# Altium PCB 智能马桶综合检测台_数据板V1.0.PcbDoc (part 3 of 8)
Units mil, origin at the board's own origin, x right, y up, seen from the top; angles counter-clockwise.
Board outline 5580 x 4007.36 mil, 2 copper layers (Top Layer, Bottom Layer); 109 components, 92 nets, 426 pads, 50 vias.
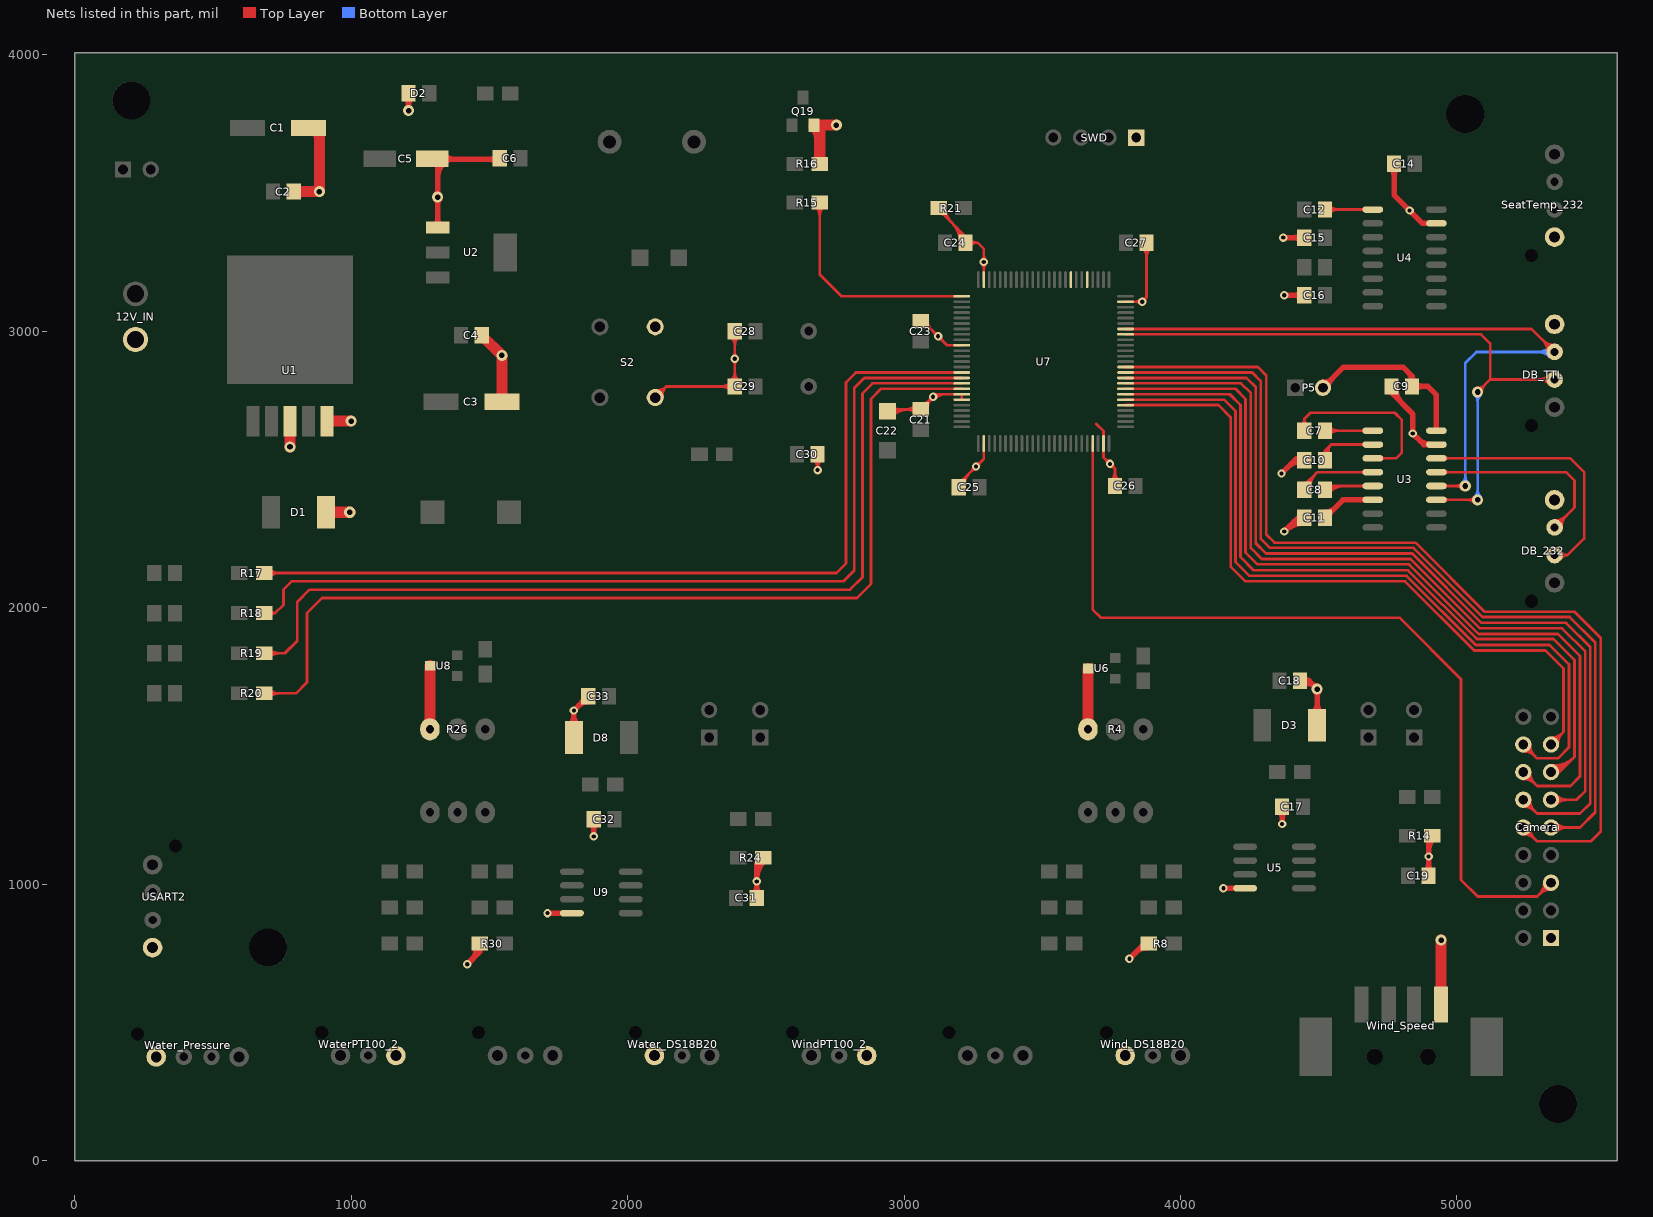
[diagram p3: the nets of this part, all layers, seen from the top]

## Via types
v1: diameter 30, hole 15, Top Layer to Bottom Layer, 31 vias
v2: diameter 40, hole 20, Top Layer to Bottom Layer, 19 vias

## Nets (pads, with @x,y where several pads share a name; then routed paths per layer and width w, separated by ;. In a path a pad name is that pad's centre, name@x,y a point inside that pad or via, vN(x,y) a via of type N, cw(c..) or ccw(c..) an arc to the next point about the centre after c; other vN are vias at no path point) (continued)
AGND: (continued)
  Top Layer w40: v2(778.86,2581.14) U1.3@778.86,2675 ; C2.1@792.4,3505 v2(885,3505) C1.2@885,3740 ; D1.1@909.41,2345 v2(995,2345) ; U1.5@912.72,2675 v2(1000,2675) ; R26.2@1274.39,1575.61 ccw(c1246.89,1603.11) 1285.79,1603.11 ; R26.2@1285,1560 1285.79,1560.79 U8.3@1285.79,1790 ; C4.1@1472.4,2985 v2(1545.24,2912.17) C3.2@1545.24,2745 ; Q19.2@2675,3745 v2(2755,3745) ; R16.2@2695,3605 2695,3745 ; R4.2@3654.39,1575.61 ccw(c3626.89,1603.11) 3665.79,1603.11 ; R4.2@3665,1560 3665.79,1560.79 U6.3@3665.79,1780 ; Wind_Speed.4@4942.4,565 v2(4942.4,797.4) ; C1.2@871.96,3728.26 cw(c840.49,3696.79) 885,3696.79 ; C1.2@871.96,3728.26 cw(c840.49,3696.79) 885,3696.79 ; C1.2@871.96,3728.26 cw(c840.49,3696.79) 885,3696.79 ; C1.2@871.96,3728.26 cw(c840.49,3696.79) 885,3696.79 ; C1.2@871.96,3728.26 cw(c840.49,3696.79) 885,3696.79 ; C1.2@871.96,3728.26 cw(c840.49,3696.79) 885,3696.79 ; Q19.2@2675,3740 cw(c2626.72,3691.72) 2695,3691.72 ; Q19.2@2675,3740 cw(c2626.72,3691.72) 2695,3691.72 ; Q19.2@2675,3740 cw(c2626.72,3691.72) 2695,3691.72 ; Q19.2@2675,3740 cw(c2626.72,3691.72) 2695,3691.72 ; Q19.2@2675,3740 cw(c2626.72,3691.72) 2695,3691.72 ; Q19.2@2675,3740 cw(c2626.72,3691.72) 2695,3691.72
  other v1: 2467.4,1010 4897.4,1100 3260.34,2510.34 3745,2520 2387.6,2900 3123.37,2981.63 3288.46,3250 4828.78,3436.22
  other v2: 1312.95,3485
BT_RX: U7.83
BT_TX: U7.80
BUZZ_OUT: R15.1 U7.1 | length 1261.4
  Top Layer w10: R15.1@2695,3465 2695,3205 2773.78,3126.22 U7.1@3208.74,3126.22 ; R15.1@2680.86,3450.86 cw(c2646.72,3416.72) 2695,3416.72 ; R15.1@2680.86,3450.86 cw(c2646.72,3416.72) 2695,3416.72 ; R15.1@2680.86,3450.86 cw(c2646.72,3416.72) 2695,3416.72 ; R15.1@2680.86,3450.86 cw(c2646.72,3416.72) 2695,3416.72 ; R15.1@2680.86,3450.86 cw(c2646.72,3416.72) 2695,3416.72 ; R15.1@2680.86,3450.86 cw(c2646.72,3416.72) 2695,3416.72 ; 2695,3416.72 cw(c2743.28,3416.72) R15.1@2709.14,3450.86 ; 2695,3416.72 cw(c2743.28,3416.72) R15.1@2709.14,3450.86 ; 2695,3416.72 cw(c2743.28,3416.72) R15.1@2709.14,3450.86 ; 2695,3416.72 cw(c2743.28,3416.72) R15.1@2709.14,3450.86 ; 2695,3416.72 cw(c2743.28,3416.72) R15.1@2709.14,3450.86 ; 2695,3416.72 cw(c2743.28,3416.72) R15.1@2709.14,3450.86
D0: Camera.15 U7.55 | length 3476.9
  Top Layer w10: U7.55@3801.26,2732.52 4137.48,2732.52 4181.39,2688.61 4181.39,2148.61 4235,2095 4812.43,2095 5062.43,1845 5320,1845 5385,1780 5385,1550 Camera.15@5340,1505 ; Camera.15@5340,1519.53 ccw(c5340,1554.6) 5364.8,1529.8 ; Camera.15@5340,1519.53 ccw(c5340,1554.6) 5364.8,1529.8 ; Camera.15@5340,1519.53 ccw(c5340,1554.6) 5364.8,1529.8 ; Camera.15@5340,1519.53 ccw(c5340,1554.6) 5364.8,1529.8 ; Camera.15@5340,1519.53 ccw(c5340,1554.6) 5364.8,1529.8 ; Camera.15@5340,1519.53 ccw(c5340,1554.6) 5364.8,1529.8 ; Camera.15@5340,1529.53 ccw(c5340,1588.74) 5381.87,1546.87 ; Camera.15@5340,1529.53 ccw(c5340,1588.74) 5381.87,1546.87 ; Camera.15@5340,1529.53 ccw(c5340,1588.74) 5381.87,1546.87 ; Camera.15@5340,1529.53 ccw(c5340,1588.74) 5381.87,1546.87 ; Camera.15@5340,1529.53 ccw(c5340,1588.74) 5381.87,1546.87 ; Camera.15@5340,1529.53 ccw(c5340,1588.74) 5381.87,1546.87 ; Camera.15@5354.53,1505 cw(c5389.6,1505) 5364.8,1529.8 ; Camera.15@5354.53,1505 cw(c5389.6,1505) 5364.8,1529.8 ; Camera.15@5354.53,1505 cw(c5389.6,1505) 5364.8,1529.8 ; Camera.15@5354.53,1505 cw(c5389.6,1505) 5364.8,1529.8 ; Camera.15@5354.53,1505 cw(c5389.6,1505) 5364.8,1529.8 ; Camera.15@5354.53,1505 cw(c5389.6,1505) 5364.8,1529.8 ; Camera.15@5364.53,1505 cw(c5423.74,1505) 5381.87,1546.87 ; Camera.15@5364.53,1505 cw(c5423.74,1505) 5381.87,1546.87 ; Camera.15@5364.53,1505 cw(c5423.74,1505) 5381.87,1546.87 ; Camera.15@5364.53,1505 cw(c5423.74,1505) 5381.87,1546.87 ; Camera.15@5364.53,1505 cw(c5423.74,1505) 5381.87,1546.87 ; Camera.15@5364.53,1505 cw(c5423.74,1505) 5381.87,1546.87
D1: Camera.16 U7.56 | length 3710.4
  Top Layer w10: U7.56@3801.26,2752.2 4157.8,2752.2 4199.26,2710.74 4199.26,2165.74 4250,2115 4817.7,2115 5067.7,1865 5335,1865 5405,1795 5405,1495 5365,1455 5290,1455 Camera.16@5240,1505 ; Camera.16@5240,1480.47 cw(c5240,1421.26) 5281.87,1463.13 ; Camera.16@5240,1480.47 cw(c5240,1421.26) 5281.87,1463.13 ; Camera.16@5240,1480.47 cw(c5240,1421.26) 5281.87,1463.13 ; Camera.16@5240,1480.47 cw(c5240,1421.26) 5281.87,1463.13 ; Camera.16@5240,1480.47 cw(c5240,1421.26) 5281.87,1463.13 ; Camera.16@5240,1480.47 cw(c5240,1421.26) 5281.87,1463.13 ; Camera.16@5240,1490.47 cw(c5240,1455.4) 5264.8,1480.2 ; Camera.16@5240,1490.47 cw(c5240,1455.4) 5264.8,1480.2 ; Camera.16@5240,1490.47 cw(c5240,1455.4) 5264.8,1480.2 ; Camera.16@5240,1490.47 cw(c5240,1455.4) 5264.8,1480.2 ; Camera.16@5240,1490.47 cw(c5240,1455.4) 5264.8,1480.2 ; Camera.16@5240,1490.47 cw(c5240,1455.4) 5264.8,1480.2 ; Camera.16@5254.53,1505 ccw(c5289.6,1505) 5264.8,1480.2 ; Camera.16@5254.53,1505 ccw(c5289.6,1505) 5264.8,1480.2 ; Camera.16@5254.53,1505 ccw(c5289.6,1505) 5264.8,1480.2 ; Camera.16@5254.53,1505 ccw(c5289.6,1505) 5264.8,1480.2 ; Camera.16@5254.53,1505 ccw(c5289.6,1505) 5264.8,1480.2 ; Camera.16@5254.53,1505 ccw(c5289.6,1505) 5264.8,1480.2 ; Camera.16@5264.53,1505 ccw(c5323.74,1505) 5281.87,1463.13 ; Camera.16@5264.53,1505 ccw(c5323.74,1505) 5281.87,1463.13 ; Camera.16@5264.53,1505 ccw(c5323.74,1505) 5281.87,1463.13 ; Camera.16@5264.53,1505 ccw(c5323.74,1505) 5281.87,1463.13 ; Camera.16@5264.53,1505 ccw(c5323.74,1505) 5281.87,1463.13 ; Camera.16@5264.53,1505 ccw(c5323.74,1505) 5281.87,1463.13
D2: Camera.13 U7.57 | length 4389.2
  Top Layer w10: U7.57@3801.26,2771.89 4178.11,2771.89 4217.13,2732.87 4217.13,2182.87 4265,2135 4822.97,2135 5071.72,1886.25 5348.75,1886.25 5425,1810 5425,1460 ; 5370,1405 5425,1460 ; Camera.13@5339.56,1399.55 ccw(c5343.59,1449.59) 5379.09,1414.09 ; Camera.13@5339.56,1399.55 ccw(c5343.59,1449.59) 5379.09,1414.09 ; Camera.13@5339.56,1399.55 ccw(c5343.59,1449.59) 5379.09,1414.09 ; Camera.13@5339.56,1399.55 ccw(c5343.59,1449.59) 5379.09,1414.09 ; Camera.13@5339.56,1399.55 ccw(c5343.59,1449.59) 5379.09,1414.09 ; Camera.13@5339.56,1399.55 ccw(c5343.59,1449.59) 5379.09,1414.09 ; Camera.13@5340.36,1409.51 ccw(c5345.87,1477.91) 5394.39,1429.39 ; Camera.13@5340.36,1409.51 ccw(c5345.87,1477.91) 5394.39,1429.39 ; Camera.13@5340.36,1409.51 ccw(c5345.87,1477.91) 5394.39,1429.39 ; Camera.13@5340.36,1409.51 ccw(c5345.87,1477.91) 5394.39,1429.39 ; Camera.13@5340.36,1409.51 ccw(c5345.87,1477.91) 5394.39,1429.39 ; Camera.13@5340.36,1409.51 ccw(c5345.87,1477.91) 5394.39,1429.39 ; Camera.13@5341.17,1419.48 ccw(c5348.15,1506.24) 5409.69,1444.69 ; Camera.13@5341.17,1419.48 ccw(c5348.15,1506.24) 5409.69,1444.69 ; Camera.13@5341.17,1419.48 ccw(c5348.15,1506.24) 5409.69,1444.69 ; Camera.13@5341.17,1419.48 ccw(c5348.15,1506.24) 5409.69,1444.69 ; Camera.13@5341.17,1419.48 ccw(c5348.15,1506.24) 5409.69,1444.69 ; Camera.13@5341.17,1419.48 ccw(c5348.15,1506.24) 5409.69,1444.69 ; Camera.13@5341.97,1429.45 ccw(c5350.43,1534.57) 5425,1460 ; Camera.13@5341.97,1429.45 ccw(c5350.43,1534.57) 5425,1460 ; Camera.13@5341.97,1429.45 ccw(c5350.43,1534.57) 5425,1460 ; Camera.13@5341.97,1429.45 ccw(c5350.43,1534.57) 5425,1460 ; Camera.13@5341.97,1429.45 ccw(c5350.43,1534.57) 5425,1460 ; Camera.13@5341.97,1429.45 ccw(c5350.43,1534.57) 5425,1460
D3: Camera.14 U7.58 | length 3933.1
  Top Layer w10: U7.58@3801.26,2791.57 4198.43,2791.57 4235,2755 4235,2200 4278.38,2156.62 4826.63,2156.62 5078.25,1905 5365,1905 5445,1825 5445,1390 5410,1355 5290,1355 Camera.14@5240,1405 ; Camera.14@5240,1380.47 cw(c5240,1321.26) 5281.87,1363.13 ; Camera.14@5240,1380.47 cw(c5240,1321.26) 5281.87,1363.13 ; Camera.14@5240,1380.47 cw(c5240,1321.26) 5281.87,1363.13 ; Camera.14@5240,1380.47 cw(c5240,1321.26) 5281.87,1363.13 ; Camera.14@5240,1380.47 cw(c5240,1321.26) 5281.87,1363.13 ; Camera.14@5240,1380.47 cw(c5240,1321.26) 5281.87,1363.13 ; Camera.14@5240,1390.47 cw(c5240,1355.4) 5264.8,1380.2 ; Camera.14@5240,1390.47 cw(c5240,1355.4) 5264.8,1380.2 ; Camera.14@5240,1390.47 cw(c5240,1355.4) 5264.8,1380.2 ; Camera.14@5240,1390.47 cw(c5240,1355.4) 5264.8,1380.2 ; Camera.14@5240,1390.47 cw(c5240,1355.4) 5264.8,1380.2 ; Camera.14@5240,1390.47 cw(c5240,1355.4) 5264.8,1380.2 ; Camera.14@5254.53,1405 ccw(c5289.6,1405) 5264.8,1380.2 ; Camera.14@5254.53,1405 ccw(c5289.6,1405) 5264.8,1380.2 ; Camera.14@5254.53,1405 ccw(c5289.6,1405) 5264.8,1380.2 ; Camera.14@5254.53,1405 ccw(c5289.6,1405) 5264.8,1380.2 ; Camera.14@5254.53,1405 ccw(c5289.6,1405) 5264.8,1380.2 ; Camera.14@5254.53,1405 ccw(c5289.6,1405) 5264.8,1380.2 ; Camera.14@5264.53,1405 ccw(c5323.74,1405) 5281.87,1363.13 ; Camera.14@5264.53,1405 ccw(c5323.74,1405) 5281.87,1363.13 ; Camera.14@5264.53,1405 ccw(c5323.74,1405) 5281.87,1363.13 ; Camera.14@5264.53,1405 ccw(c5323.74,1405) 5281.87,1363.13 ; Camera.14@5264.53,1405 ccw(c5323.74,1405) 5281.87,1363.13 ; Camera.14@5264.53,1405 ccw(c5323.74,1405) 5281.87,1363.13
D4: Camera.11 U7.59 | length 3892.9
  Top Layer w10: U7.59@3801.26,2811.26 4218.74,2811.26 4254.26,2775.74 4254.26,2215.74 4293.91,2176.09 4832.43,2176.09 5083.52,1925 5380,1925 5464.26,1840.74 5464.26,1337.13 5432.13,1305 5370,1305 ; Camera.11@5350.27,1294.73 cw(c5375.07,1269.93) 5375.07,1305 ; Camera.11@5350.27,1294.73 cw(c5375.07,1269.93) 5375.07,1305 ; Camera.11@5350.27,1294.73 cw(c5375.07,1269.93) 5375.07,1305 ; Camera.11@5350.27,1294.73 cw(c5375.07,1269.93) 5375.07,1305 ; Camera.11@5350.27,1294.73 cw(c5375.07,1269.93) 5375.07,1305 ; Camera.11@5350.27,1294.73 cw(c5375.07,1269.93) 5375.07,1305 ; Camera.11@5350.27,1315.27 ccw(c5375.07,1340.07) 5375.07,1305 ; Camera.11@5350.27,1315.27 ccw(c5375.07,1340.07) 5375.07,1305 ; Camera.11@5350.27,1315.27 ccw(c5375.07,1340.07) 5375.07,1305 ; Camera.11@5350.27,1315.27 ccw(c5375.07,1340.07) 5375.07,1305 ; Camera.11@5350.27,1315.27 ccw(c5375.07,1340.07) 5375.07,1305 ; Camera.11@5350.27,1315.27 ccw(c5375.07,1340.07) 5375.07,1305 ; Camera.11@5357.34,1287.66 cw(c5399.21,1245.79) 5399.21,1305 ; Camera.11@5357.34,1287.66 cw(c5399.21,1245.79) 5399.21,1305 ; Camera.11@5357.34,1287.66 cw(c5399.21,1245.79) 5399.21,1305 ; Camera.11@5357.34,1287.66 cw(c5399.21,1245.79) 5399.21,1305 ; Camera.11@5357.34,1287.66 cw(c5399.21,1245.79) 5399.21,1305 ; Camera.11@5357.34,1287.66 cw(c5399.21,1245.79) 5399.21,1305 ; Camera.11@5357.34,1322.34 ccw(c5399.21,1364.21) 5399.21,1305 ; Camera.11@5357.34,1322.34 ccw(c5399.21,1364.21) 5399.21,1305 ; Camera.11@5357.34,1322.34 ccw(c5399.21,1364.21) 5399.21,1305 ; Camera.11@5357.34,1322.34 ccw(c5399.21,1364.21) 5399.21,1305 ; Camera.11@5357.34,1322.34 ccw(c5399.21,1364.21) 5399.21,1305 ; Camera.11@5357.34,1322.34 ccw(c5399.21,1364.21) 5399.21,1305
D5: Camera.12 U7.60 | length 4147.5
  Top Layer w10: U7.60@3801.26,2830.94 4239.06,2830.94 4272.13,2797.87 4272.13,2232.87 4309.44,2195.56 4838.24,2195.56 5088.79,1945 5395,1945 5482.13,1857.87 5482.13,1292.13 5445,1255 5290,1255 Camera.12@5240,1305 ; Camera.12@5240,1280.47 cw(c5240,1221.26) 5281.87,1263.13 ; Camera.12@5240,1280.47 cw(c5240,1221.26) 5281.87,1263.13 ; Camera.12@5240,1280.47 cw(c5240,1221.26) 5281.87,1263.13 ; Camera.12@5240,1280.47 cw(c5240,1221.26) 5281.87,1263.13 ; Camera.12@5240,1280.47 cw(c5240,1221.26) 5281.87,1263.13 ; Camera.12@5240,1280.47 cw(c5240,1221.26) 5281.87,1263.13 ; Camera.12@5240,1290.47 cw(c5240,1255.4) 5264.8,1280.2 ; Camera.12@5240,1290.47 cw(c5240,1255.4) 5264.8,1280.2 ; Camera.12@5240,1290.47 cw(c5240,1255.4) 5264.8,1280.2 ; Camera.12@5240,1290.47 cw(c5240,1255.4) 5264.8,1280.2 ; Camera.12@5240,1290.47 cw(c5240,1255.4) 5264.8,1280.2 ; Camera.12@5240,1290.47 cw(c5240,1255.4) 5264.8,1280.2 ; Camera.12@5254.53,1305 ccw(c5289.6,1305) 5264.8,1280.2 ; Camera.12@5254.53,1305 ccw(c5289.6,1305) 5264.8,1280.2 ; Camera.12@5254.53,1305 ccw(c5289.6,1305) 5264.8,1280.2 ; Camera.12@5254.53,1305 ccw(c5289.6,1305) 5264.8,1280.2 ; Camera.12@5254.53,1305 ccw(c5289.6,1305) 5264.8,1280.2 ; Camera.12@5254.53,1305 ccw(c5289.6,1305) 5264.8,1280.2 ; Camera.12@5264.53,1305 ccw(c5323.74,1305) 5281.87,1263.13 ; Camera.12@5264.53,1305 ccw(c5323.74,1305) 5281.87,1263.13 ; Camera.12@5264.53,1305 ccw(c5323.74,1305) 5281.87,1263.13 ; Camera.12@5264.53,1305 ccw(c5323.74,1305) 5281.87,1263.13 ; Camera.12@5264.53,1305 ccw(c5323.74,1305) 5281.87,1263.13 ; Camera.12@5264.53,1305 ccw(c5323.74,1305) 5281.87,1263.13
D6: Camera.9 U7.61 | length 4092.4
  Top Layer w10: U7.61@3801.26,2850.63 4259.37,2850.63 4290,2820 4290,2250 4323.72,2216.28 4842.78,2216.28 5092.81,1966.25 5407.5,1966.25 5500,1873.75 5500,1260 5445,1205 5370,1205 ; Camera.9@5350.27,1194.73 cw(c5375.07,1169.93) 5375.07,1205 ; Camera.9@5350.27,1194.73 cw(c5375.07,1169.93) 5375.07,1205 ; Camera.9@5350.27,1194.73 cw(c5375.07,1169.93) 5375.07,1205 ; Camera.9@5350.27,1194.73 cw(c5375.07,1169.93) 5375.07,1205 ; Camera.9@5350.27,1194.73 cw(c5375.07,1169.93) 5375.07,1205 ; Camera.9@5350.27,1194.73 cw(c5375.07,1169.93) 5375.07,1205 ; Camera.9@5350.27,1215.27 ccw(c5375.07,1240.07) 5375.07,1205 ; Camera.9@5350.27,1215.27 ccw(c5375.07,1240.07) 5375.07,1205 ; Camera.9@5350.27,1215.27 ccw(c5375.07,1240.07) 5375.07,1205 ; Camera.9@5350.27,1215.27 ccw(c5375.07,1240.07) 5375.07,1205 ; Camera.9@5350.27,1215.27 ccw(c5375.07,1240.07) 5375.07,1205 ; Camera.9@5350.27,1215.27 ccw(c5375.07,1240.07) 5375.07,1205 ; Camera.9@5357.34,1187.66 cw(c5399.21,1145.79) 5399.21,1205 ; Camera.9@5357.34,1187.66 cw(c5399.21,1145.79) 5399.21,1205 ; Camera.9@5357.34,1187.66 cw(c5399.21,1145.79) 5399.21,1205 ; Camera.9@5357.34,1187.66 cw(c5399.21,1145.79) 5399.21,1205 ; Camera.9@5357.34,1187.66 cw(c5399.21,1145.79) 5399.21,1205 ; Camera.9@5357.34,1187.66 cw(c5399.21,1145.79) 5399.21,1205 ; Camera.9@5357.34,1222.34 ccw(c5399.21,1264.21) 5399.21,1205 ; Camera.9@5357.34,1222.34 ccw(c5399.21,1264.21) 5399.21,1205 ; Camera.9@5357.34,1222.34 ccw(c5399.21,1264.21) 5399.21,1205 ; Camera.9@5357.34,1222.34 ccw(c5399.21,1264.21) 5399.21,1205 ; Camera.9@5357.34,1222.34 ccw(c5399.21,1264.21) 5399.21,1205 ; Camera.9@5357.34,1222.34 ccw(c5399.21,1264.21) 5399.21,1205
D7: Camera.10 U7.62 | length 4365.5
  Top Layer w10: U7.62@3801.26,2870.32 4279.69,2870.32 4310,2840 4310,2265 4340,2235 4850,2235 5100,1985 5425,1985 5520,1890 5520,1190 5485,1155 5290,1155 Camera.10@5240,1205 ; Camera.10@5240,1180.47 cw(c5240,1121.26) 5281.87,1163.13 ; Camera.10@5240,1180.47 cw(c5240,1121.26) 5281.87,1163.13 ; Camera.10@5240,1180.47 cw(c5240,1121.26) 5281.87,1163.13 ; Camera.10@5240,1180.47 cw(c5240,1121.26) 5281.87,1163.13 ; Camera.10@5240,1180.47 cw(c5240,1121.26) 5281.87,1163.13 ; Camera.10@5240,1180.47 cw(c5240,1121.26) 5281.87,1163.13 ; Camera.10@5240,1190.47 cw(c5240,1155.4) 5264.8,1180.2 ; Camera.10@5240,1190.47 cw(c5240,1155.4) 5264.8,1180.2 ; Camera.10@5240,1190.47 cw(c5240,1155.4) 5264.8,1180.2 ; Camera.10@5240,1190.47 cw(c5240,1155.4) 5264.8,1180.2 ; Camera.10@5240,1190.47 cw(c5240,1155.4) 5264.8,1180.2 ; Camera.10@5240,1190.47 cw(c5240,1155.4) 5264.8,1180.2 ; Camera.10@5254.53,1205 ccw(c5289.6,1205) 5264.8,1180.2 ; Camera.10@5254.53,1205 ccw(c5289.6,1205) 5264.8,1180.2 ; Camera.10@5254.53,1205 ccw(c5289.6,1205) 5264.8,1180.2 ; Camera.10@5254.53,1205 ccw(c5289.6,1205) 5264.8,1180.2 ; Camera.10@5254.53,1205 ccw(c5289.6,1205) 5264.8,1180.2 ; Camera.10@5254.53,1205 ccw(c5289.6,1205) 5264.8,1180.2 ; Camera.10@5264.53,1205 ccw(c5323.74,1205) 5281.87,1163.13 ; Camera.10@5264.53,1205 ccw(c5323.74,1205) 5281.87,1163.13 ; Camera.10@5264.53,1205 ccw(c5323.74,1205) 5281.87,1163.13 ; Camera.10@5264.53,1205 ccw(c5323.74,1205) 5281.87,1163.13 ; Camera.10@5264.53,1205 ccw(c5323.74,1205) 5281.87,1163.13 ; Camera.10@5264.53,1205 ccw(c5323.74,1205) 5281.87,1163.13
DB_232RX: DB_232.3 U3.13 | length 1321.7
  Top Layer w10: U3.13@4925.63,2490 5395,2490 5425,2460 5425,2362 DB_232.3@5353,2290 ; U3.13@4956.04,2485.18 cw(c4967.66,2473.56) 4967.66,2490 ; U3.13@4956.04,2485.18 cw(c4967.66,2473.56) 4967.66,2490 ; U3.13@4956.04,2485.18 cw(c4967.66,2473.56) 4967.66,2490 ; U3.13@4956.04,2485.18 cw(c4967.66,2473.56) 4967.66,2490 ; U3.13@4956.04,2485.18 cw(c4967.66,2473.56) 4967.66,2490 ; U3.13@4956.04,2485.18 cw(c4967.66,2473.56) 4967.66,2490 ; U3.13@4956.04,2494.82 ccw(c4967.66,2506.44) 4967.66,2490 ; U3.13@4956.04,2494.82 ccw(c4967.66,2506.44) 4967.66,2490 ; U3.13@4956.04,2494.82 ccw(c4967.66,2506.44) 4967.66,2490 ; U3.13@4956.04,2494.82 ccw(c4967.66,2506.44) 4967.66,2490 ; U3.13@4956.04,2494.82 ccw(c4967.66,2506.44) 4967.66,2490 ; U3.13@4956.04,2494.82 ccw(c4967.66,2506.44) 4967.66,2490 ; DB_232.3@5353,2305 ccw(c5353,2341.21) 5378.61,2315.61 ; DB_232.3@5353,2305 ccw(c5353,2341.21) 5378.61,2315.61 ; DB_232.3@5353,2305 ccw(c5353,2341.21) 5378.61,2315.61 ; DB_232.3@5353,2315 ccw(c5353,2375.36) 5395.68,2332.68 ; DB_232.3@5353,2315 ccw(c5353,2375.36) 5395.68,2332.68 ; DB_232.3@5353,2315 ccw(c5353,2375.36) 5395.68,2332.68 ; DB_232.3@5368,2290 cw(c5404.21,2290) 5378.61,2315.61 ; DB_232.3@5368,2290 cw(c5404.21,2290) 5378.61,2315.61 ; DB_232.3@5368,2290 cw(c5404.21,2290) 5378.61,2315.61 ; DB_232.3@5378,2290 cw(c5438.36,2290) 5395.68,2332.68 ; DB_232.3@5378,2290 cw(c5438.36,2290) 5395.68,2332.68 ; DB_232.3@5378,2290 cw(c5438.36,2290) 5395.68,2332.68
DB_232TX: DB_232.2 U3.14 | length 1267.7
  Top Layer w10: U3.14@4925.63,2540 5410,2540 5460,2490 5460,2250 5400,2190 ; DB_232.2@5353,2190 5400,2190 ; U3.14@4956.04,2535.18 cw(c4967.66,2523.56) 4967.66,2540 ; U3.14@4956.04,2535.18 cw(c4967.66,2523.56) 4967.66,2540 ; U3.14@4956.04,2535.18 cw(c4967.66,2523.56) 4967.66,2540 ; U3.14@4956.04,2535.18 cw(c4967.66,2523.56) 4967.66,2540 ; U3.14@4956.04,2535.18 cw(c4967.66,2523.56) 4967.66,2540 ; U3.14@4956.04,2535.18 cw(c4967.66,2523.56) 4967.66,2540 ; U3.14@4956.04,2544.82 ccw(c4967.66,2556.44) 4967.66,2540 ; U3.14@4956.04,2544.82 ccw(c4967.66,2556.44) 4967.66,2540 ; U3.14@4956.04,2544.82 ccw(c4967.66,2556.44) 4967.66,2540 ; U3.14@4956.04,2544.82 ccw(c4967.66,2556.44) 4967.66,2540 ; U3.14@4956.04,2544.82 ccw(c4967.66,2556.44) 4967.66,2540 ; U3.14@4956.04,2544.82 ccw(c4967.66,2556.44) 4967.66,2540 ; DB_232.2@5373.73,2176.03 cw(c5400,2158.32) 5400,2190 ; DB_232.2@5373.73,2176.03 cw(c5400,2158.32) 5400,2190 ; DB_232.2@5373.73,2176.03 cw(c5400,2158.32) 5400,2190 ; DB_232.2@5373.73,2203.97 ccw(c5400,2221.68) 5400,2190 ; DB_232.2@5373.73,2203.97 ccw(c5400,2221.68) 5400,2190 ; DB_232.2@5373.73,2203.97 ccw(c5400,2221.68) 5400,2190
DB_RX: DB_TTL.3 U3.12 U7.69 | length 5133
  Top Layer w10: U7.69@3801.26,3008.11 5269.89,3008.11 DB_TTL.3@5353,2925 ; U3.12@4925.63,2440 v2(5030,2440) ; U3.12@4956.04,2435.18 cw(c4967.66,2423.56) 4967.66,2440 ; U3.12@4956.04,2435.18 cw(c4967.66,2423.56) 4967.66,2440 ; U3.12@4956.04,2435.18 cw(c4967.66,2423.56) 4967.66,2440 ; U3.12@4956.04,2435.18 cw(c4967.66,2423.56) 4967.66,2440 ; U3.12@4956.04,2435.18 cw(c4967.66,2423.56) 4967.66,2440 ; U3.12@4956.04,2435.18 cw(c4967.66,2423.56) 4967.66,2440 ; U3.12@4956.04,2444.82 ccw(c4967.66,2456.44) 4967.66,2440 ; U3.12@4956.04,2444.82 ccw(c4967.66,2456.44) 4967.66,2440 ; U3.12@4956.04,2444.82 ccw(c4967.66,2456.44) 4967.66,2440 ; U3.12@4956.04,2444.82 ccw(c4967.66,2456.44) 4967.66,2440 ; U3.12@4956.04,2444.82 ccw(c4967.66,2456.44) 4967.66,2440 ; U3.12@4956.04,2444.82 ccw(c4967.66,2456.44) 4967.66,2440 ; 4993.79,2440 cw(c4993.79,2403.79) v2@5019.39,2429.39 ; 4993.79,2440 ccw(c4993.79,2476.21) v2@5019.39,2450.61 ; 4993.79,2440 ccw(c4993.79,2476.21) v2@5019.39,2450.61 ; 4993.79,2440 cw(c4993.79,2403.79) v2@5019.39,2429.39 ; 4993.79,2440 ccw(c4993.79,2476.21) v2@5019.39,2450.61 ; 4993.79,2440 cw(c4993.79,2403.79) v2@5019.39,2429.39 ; 4993.79,2440 ccw(c4993.79,2476.21) v2@5019.39,2450.61 ; 4993.79,2440 cw(c4993.79,2403.79) v2@5019.39,2429.39 ; 4993.79,2440 ccw(c4993.79,2476.21) v2@5019.39,2450.61 ; 4993.79,2440 cw(c4993.79,2403.79) v2@5019.39,2429.39 ; 4993.79,2440 ccw(c4993.79,2476.21) v2@5019.39,2450.61 ; 4993.79,2440 cw(c4993.79,2403.79) v2@5019.39,2429.39 ; 5310.32,2967.68 cw(c5267.64,2925) DB_TTL.3@5328,2925 ; 5310.32,2967.68 ccw(c5353,3010.36) DB_TTL.3@5353,2950 ; 5310.32,2967.68 ccw(c5353,3010.36) DB_TTL.3@5353,2950 ; 5310.32,2967.68 cw(c5267.64,2925) DB_TTL.3@5328,2925 ; 5310.32,2967.68 ccw(c5353,3010.36) DB_TTL.3@5353,2950 ; 5310.32,2967.68 cw(c5267.64,2925) DB_TTL.3@5328,2925 ; 5310.32,2967.68 ccw(c5353,3010.36) DB_TTL.3@5353,2950 ; 5310.32,2967.68 cw(c5267.64,2925) DB_TTL.3@5328,2925 ; 5310.32,2967.68 ccw(c5353,3010.36) DB_TTL.3@5353,2950 ; 5310.32,2967.68 cw(c5267.64,2925) DB_TTL.3@5328,2925 ; 5310.32,2967.68 ccw(c5353,3010.36) DB_TTL.3@5353,2950 ; 5310.32,2967.68 cw(c5267.64,2925) DB_TTL.3@5328,2925 ; 5327.39,2950.61 cw(c5301.79,2925) DB_TTL.3@5338,2925 ; 5327.39,2950.61 ccw(c5353,2976.21) DB_TTL.3@5353,2940 ; 5327.39,2950.61 ccw(c5353,2976.21) DB_TTL.3@5353,2940 ; 5327.39,2950.61 cw(c5301.79,2925) DB_TTL.3@5338,2925 ; 5327.39,2950.61 ccw(c5353,2976.21) DB_TTL.3@5353,2940 ; 5327.39,2950.61 cw(c5301.79,2925) DB_TTL.3@5338,2925 ; 5327.39,2950.61 ccw(c5353,2976.21) DB_TTL.3@5353,2940 ; 5327.39,2950.61 cw(c5301.79,2925) DB_TTL.3@5338,2925 ; 5327.39,2950.61 ccw(c5353,2976.21) DB_TTL.3@5353,2940 ; 5327.39,2950.61 cw(c5301.79,2925) DB_TTL.3@5338,2925 ; 5327.39,2950.61 ccw(c5353,2976.21) DB_TTL.3@5353,2940 ; 5327.39,2950.61 cw(c5301.79,2925) DB_TTL.3@5338,2925
  Bottom Layer w10: v2(5030,2440) 5030,2885 5070,2925 DB_TTL.3@5353,2925 ; v2@5019.39,2450.61 ccw(c4993.79,2476.21) 5030,2476.21 ; v2@5019.39,2450.61 ccw(c4993.79,2476.21) 5030,2476.21 ; v2@5019.39,2450.61 ccw(c4993.79,2476.21) 5030,2476.21 ; v2@5019.39,2450.61 ccw(c4993.79,2476.21) 5030,2476.21 ; v2@5019.39,2450.61 ccw(c4993.79,2476.21) 5030,2476.21 ; v2@5019.39,2450.61 ccw(c4993.79,2476.21) 5030,2476.21 ; 5030,2476.21 ccw(c5066.21,2476.21) v2@5040.61,2450.61 ; 5030,2476.21 ccw(c5066.21,2476.21) v2@5040.61,2450.61 ; 5030,2476.21 ccw(c5066.21,2476.21) v2@5040.61,2450.61 ; 5030,2476.21 ccw(c5066.21,2476.21) v2@5040.61,2450.61 ; 5030,2476.21 ccw(c5066.21,2476.21) v2@5040.61,2450.61 ; 5030,2476.21 ccw(c5066.21,2476.21) v2@5040.61,2450.61 ; 5292.64,2925 cw(c5292.64,2864.64) DB_TTL.3@5335.32,2907.32 ; 5292.64,2925 ccw(c5292.64,2985.36) DB_TTL.3@5335.32,2942.68 ; 5292.64,2925 ccw(c5292.64,2985.36) DB_TTL.3@5335.32,2942.68 ; 5292.64,2925 cw(c5292.64,2864.64) DB_TTL.3@5335.32,2907.32 ; 5292.64,2925 ccw(c5292.64,2985.36) DB_TTL.3@5335.32,2942.68 ; 5292.64,2925 cw(c5292.64,2864.64) DB_TTL.3@5335.32,2907.32 ; 5292.64,2925 ccw(c5292.64,2985.36) DB_TTL.3@5335.32,2942.68 ; 5292.64,2925 cw(c5292.64,2864.64) DB_TTL.3@5335.32,2907.32 ; 5292.64,2925 ccw(c5292.64,2985.36) DB_TTL.3@5335.32,2942.68 ; 5292.64,2925 cw(c5292.64,2864.64) DB_TTL.3@5335.32,2907.32 ; 5292.64,2925 ccw(c5292.64,2985.36) DB_TTL.3@5335.32,2942.68 ; 5292.64,2925 cw(c5292.64,2864.64) DB_TTL.3@5335.32,2907.32 ; 5316.79,2925 cw(c5316.79,2888.79) DB_TTL.3@5342.39,2914.39 ; 5316.79,2925 ccw(c5316.79,2961.21) DB_TTL.3@5342.39,2935.61 ; 5316.79,2925 ccw(c5316.79,2961.21) DB_TTL.3@5342.39,2935.61 ; 5316.79,2925 cw(c5316.79,2888.79) DB_TTL.3@5342.39,2914.39 ; 5316.79,2925 ccw(c5316.79,2961.21) DB_TTL.3@5342.39,2935.61 ; 5316.79,2925 cw(c5316.79,2888.79) DB_TTL.3@5342.39,2914.39 ; 5316.79,2925 ccw(c5316.79,2961.21) DB_TTL.3@5342.39,2935.61 ; 5316.79,2925 cw(c5316.79,2888.79) DB_TTL.3@5342.39,2914.39 ; 5316.79,2925 ccw(c5316.79,2961.21) DB_TTL.3@5342.39,2935.61 ; 5316.79,2925 cw(c5316.79,2888.79) DB_TTL.3@5342.39,2914.39 ; 5316.79,2925 ccw(c5316.79,2961.21) DB_TTL.3@5342.39,2935.61 ; 5316.79,2925 cw(c5316.79,2888.79) DB_TTL.3@5342.39,2914.39